# Altium PCB SAM4N_Xplained_Pro.PcbDoc (part 1 of 3)
Units mm, origin at the board's own origin, x right, y up, seen from the top; angles counter-clockwise.
Board outline 60 x 100 mm, 4 copper layers (Top Layer LF-signals, GND, POWER, Bottom Layer LF-signals), stack 1.602 mm thick; 127 components, 136 nets, 617 pads, 312 vias.
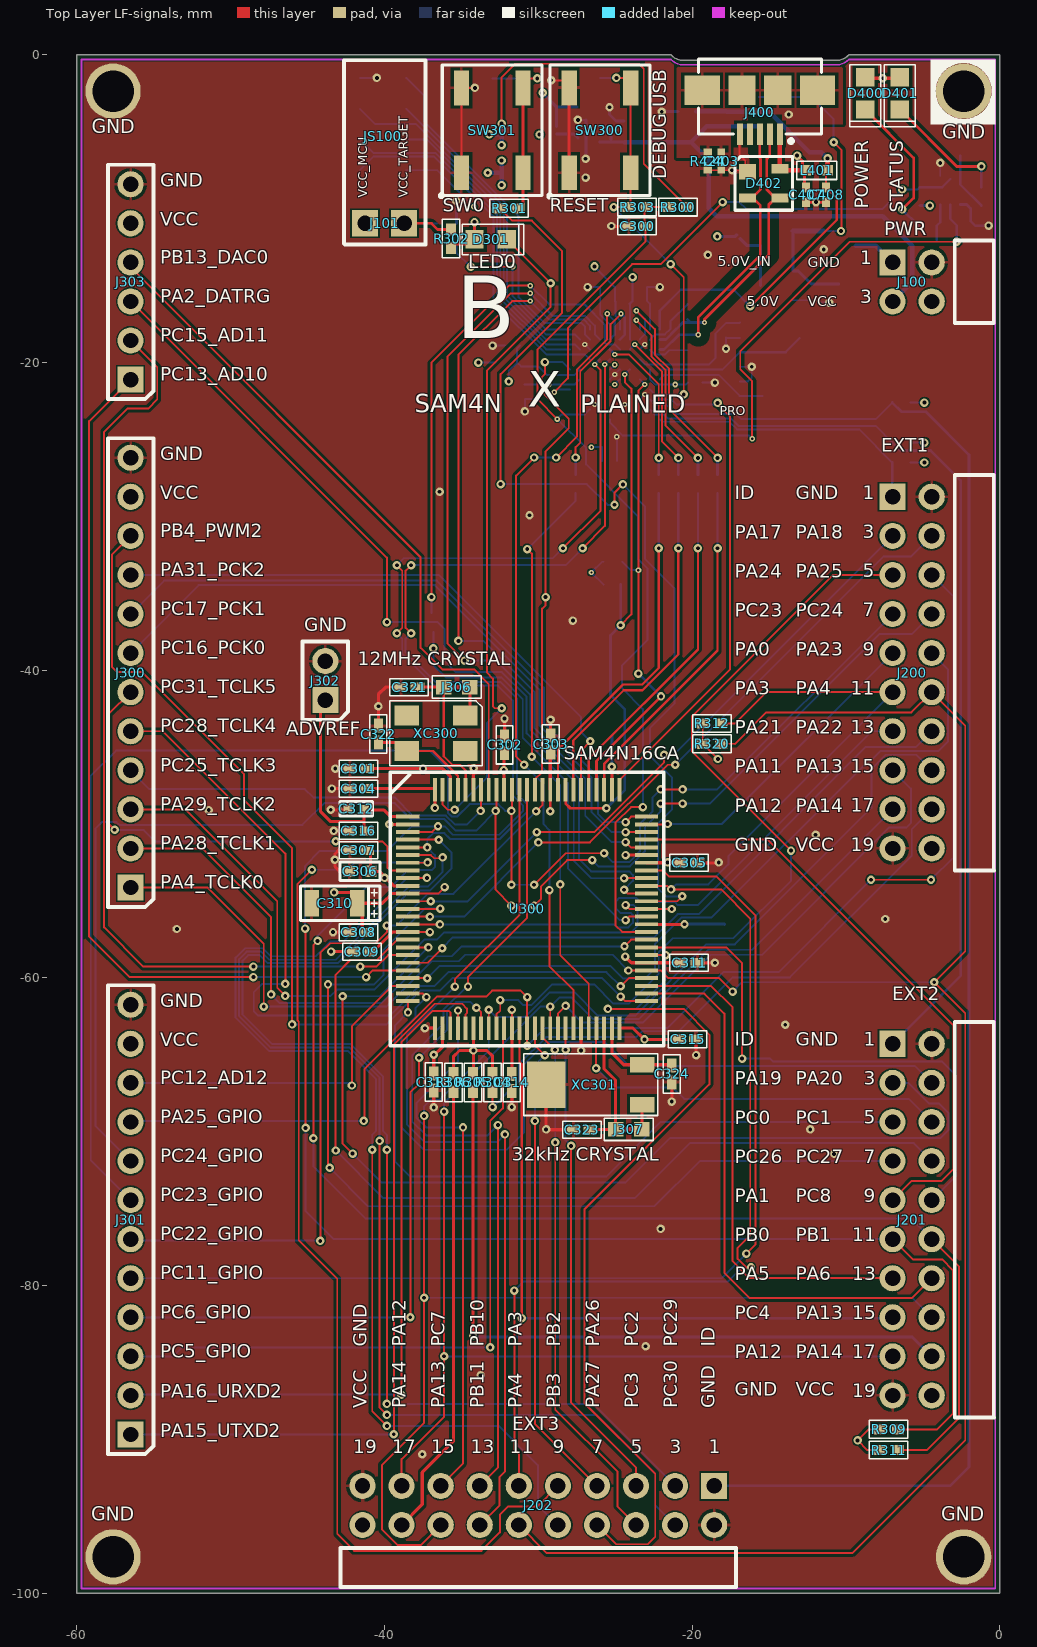
[diagram p0: Top Layer LF-signals view]
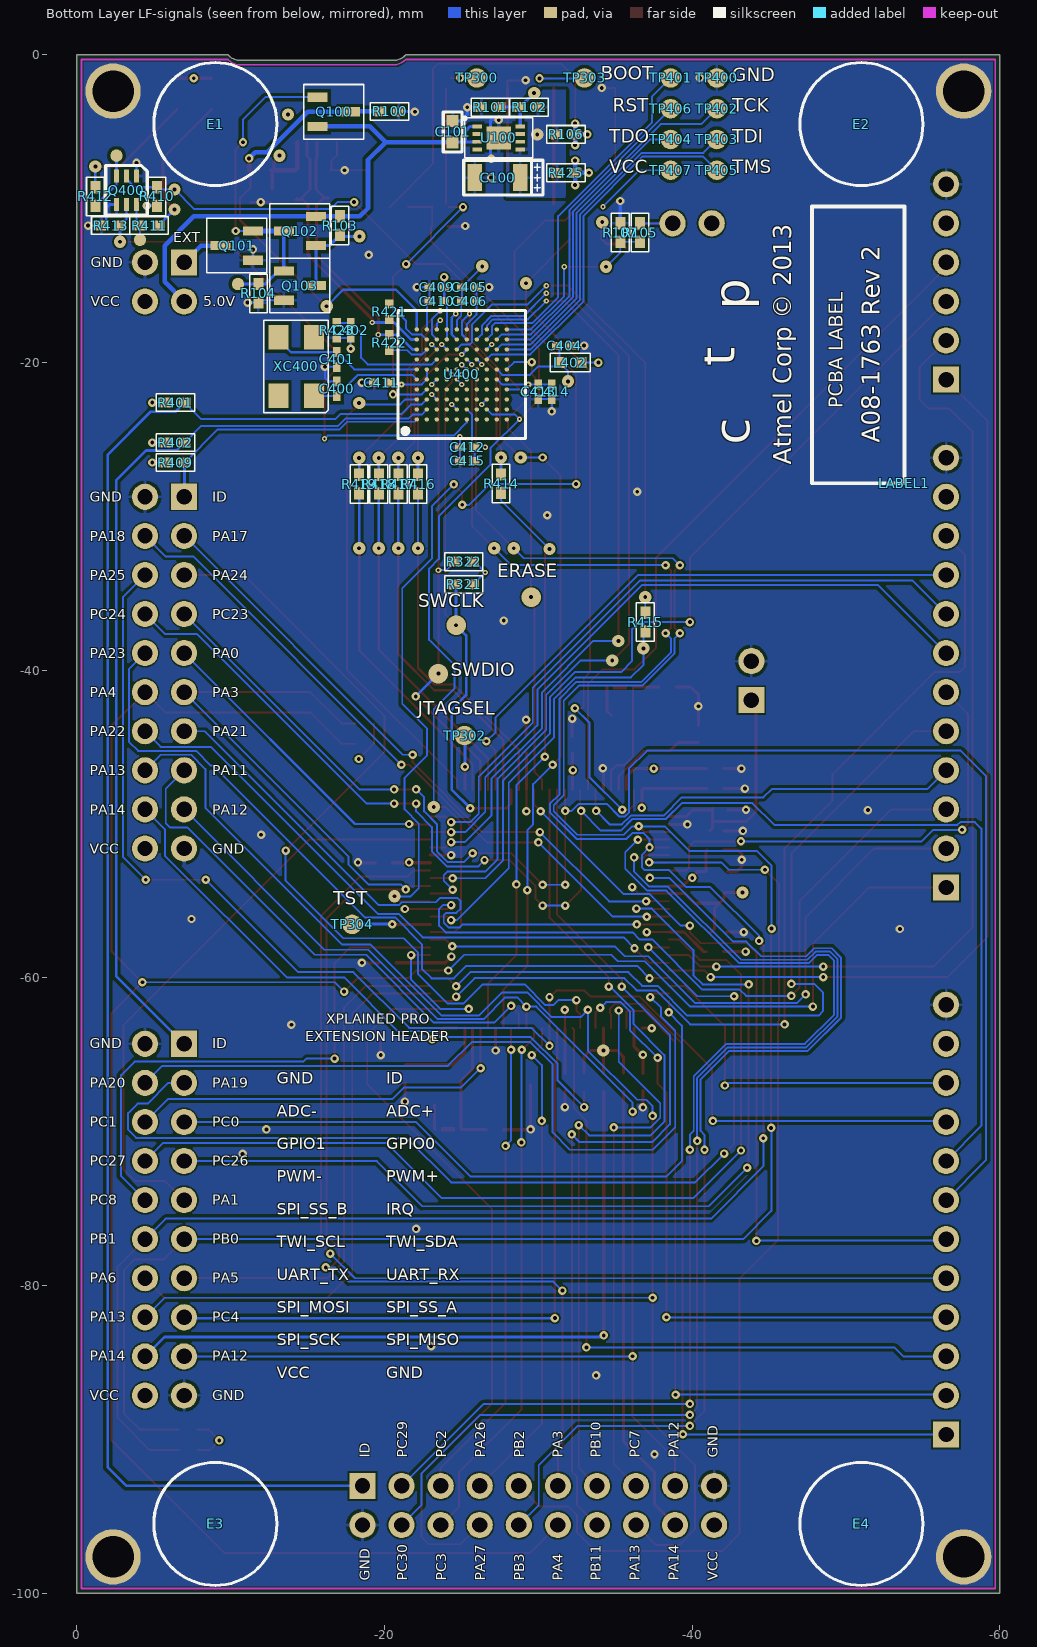
[diagram p1: Bottom Layer LF-signals view, seen from below]
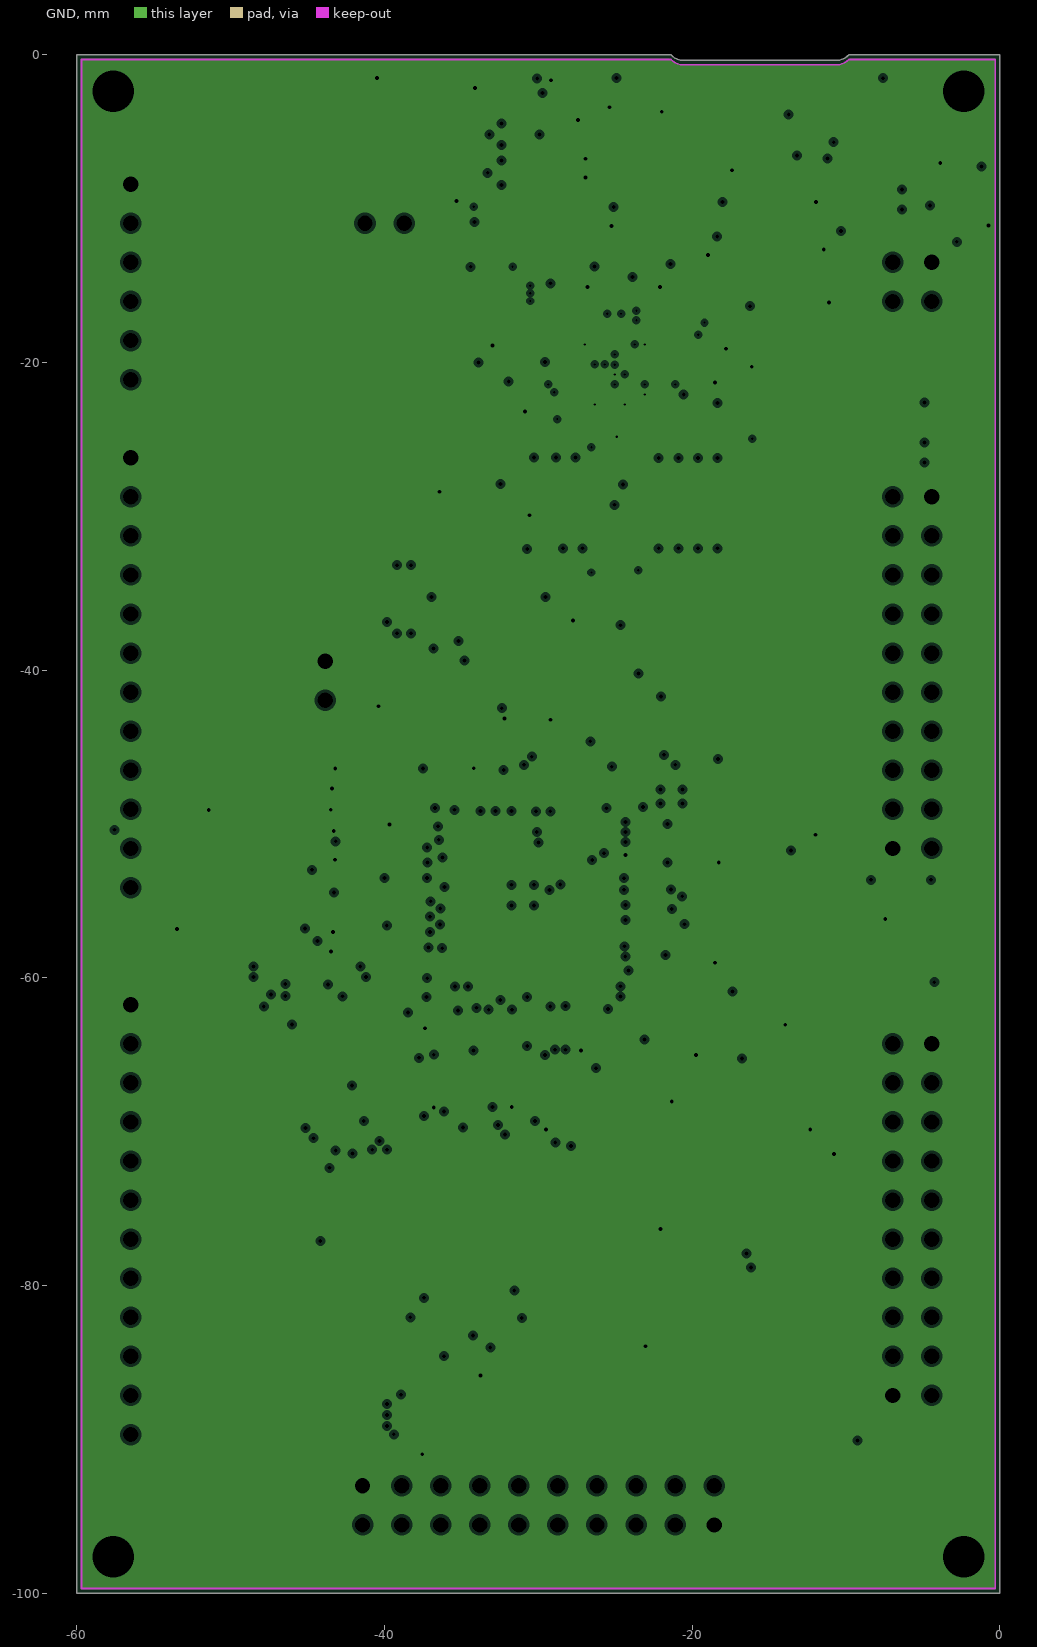
[diagram p2: GND, clearances drawn from the general rule]
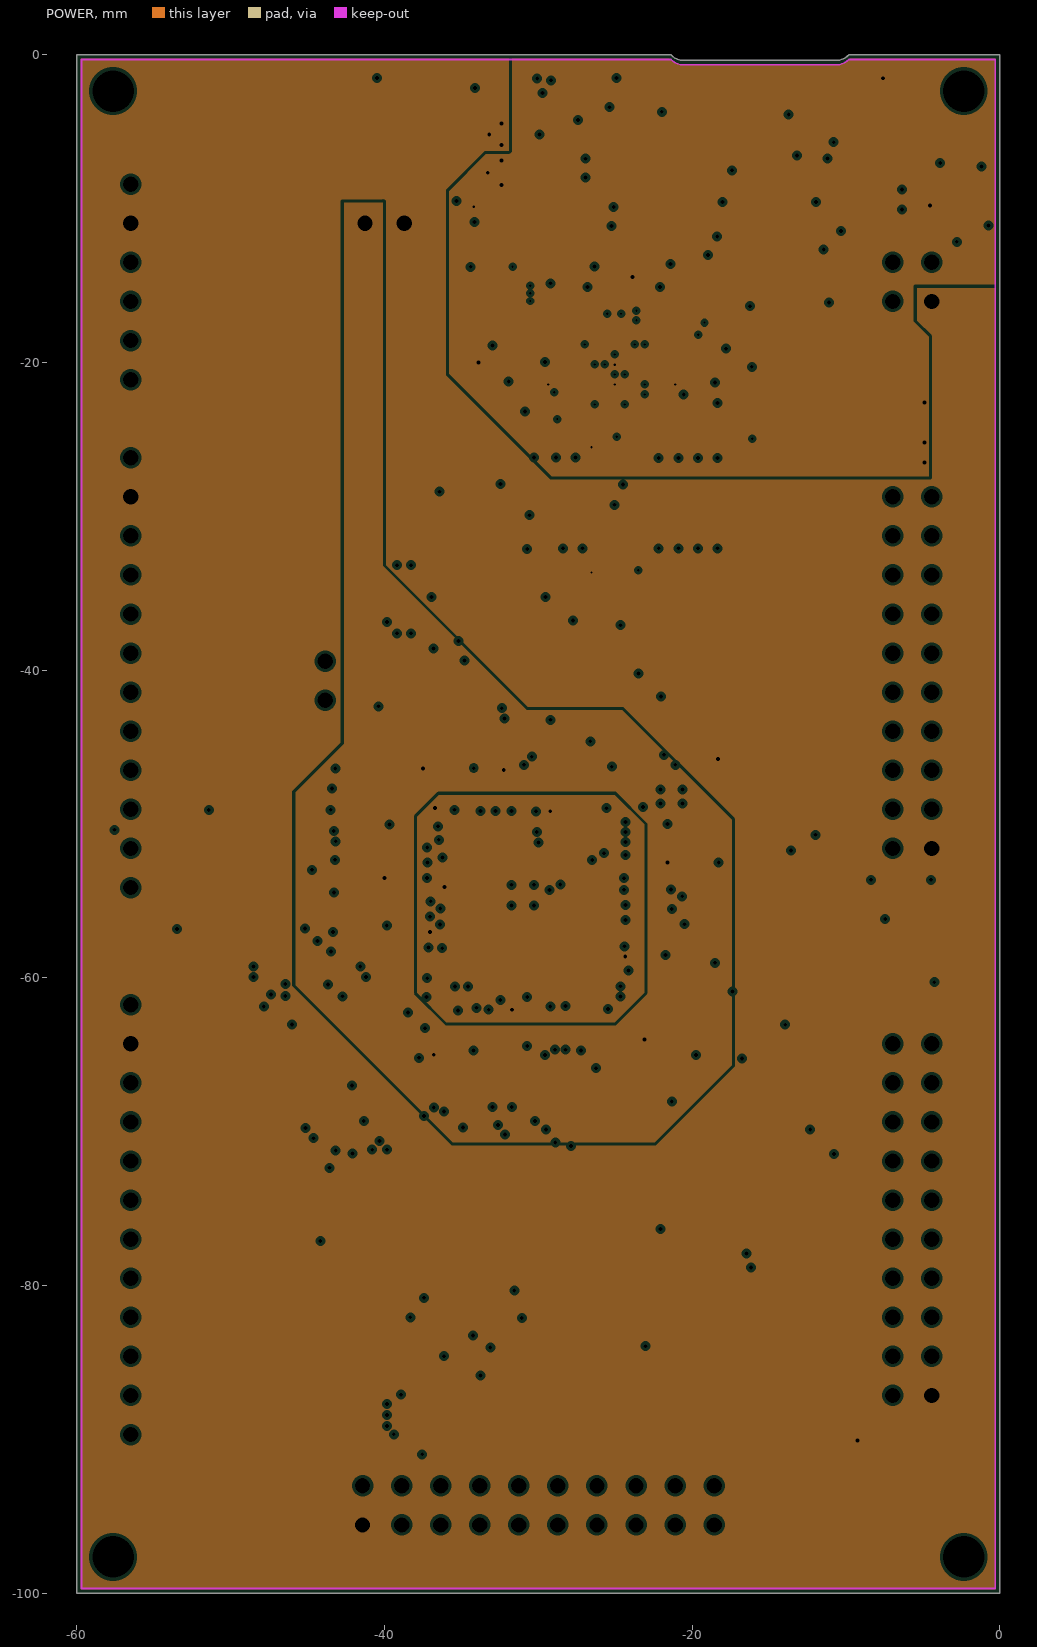
[diagram p3: POWER, clearances drawn from the general rule]
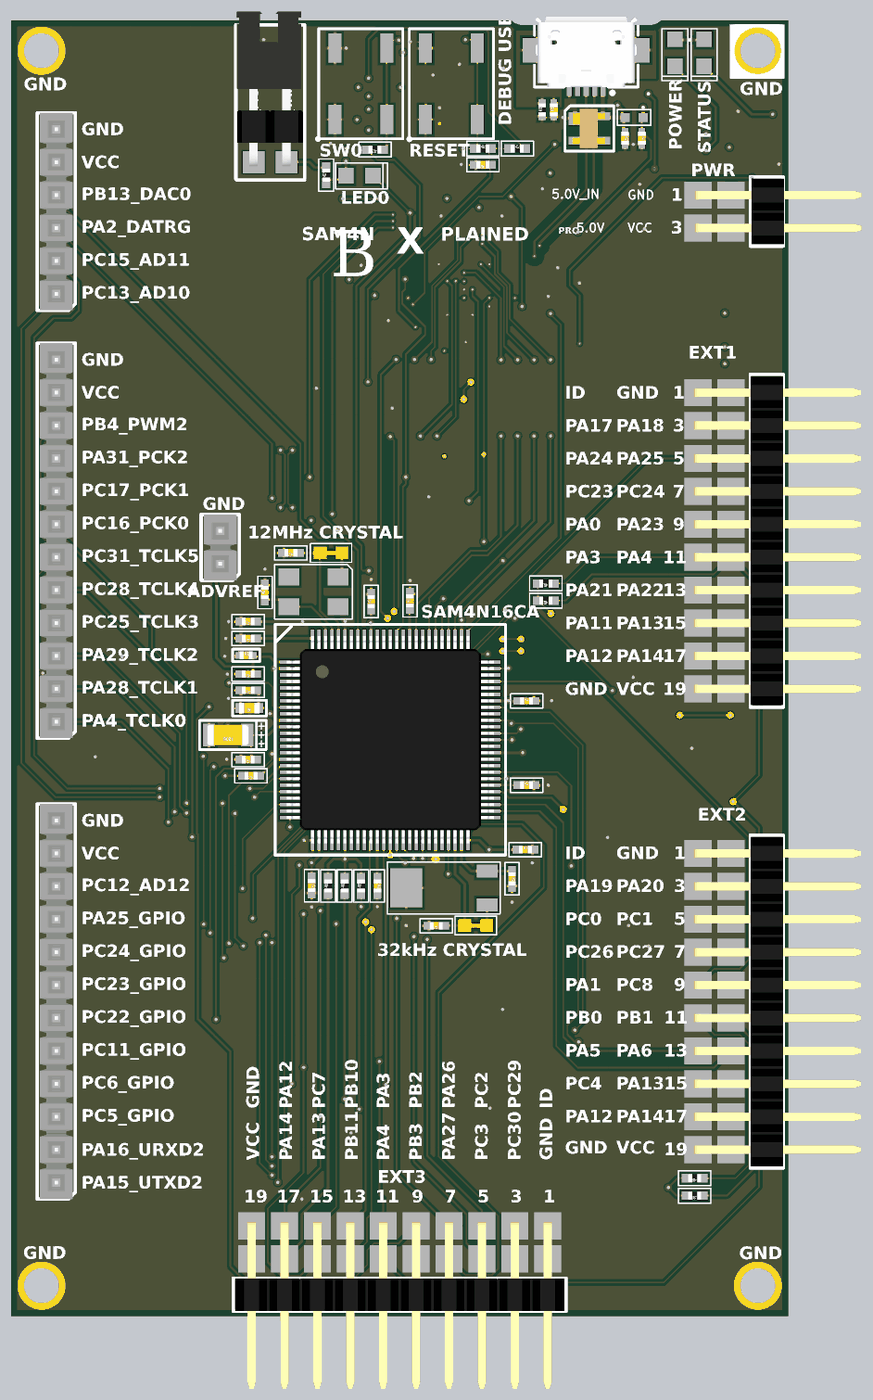
[diagram p6: 3D render of the assembled board from above, using the file's embedded part models]
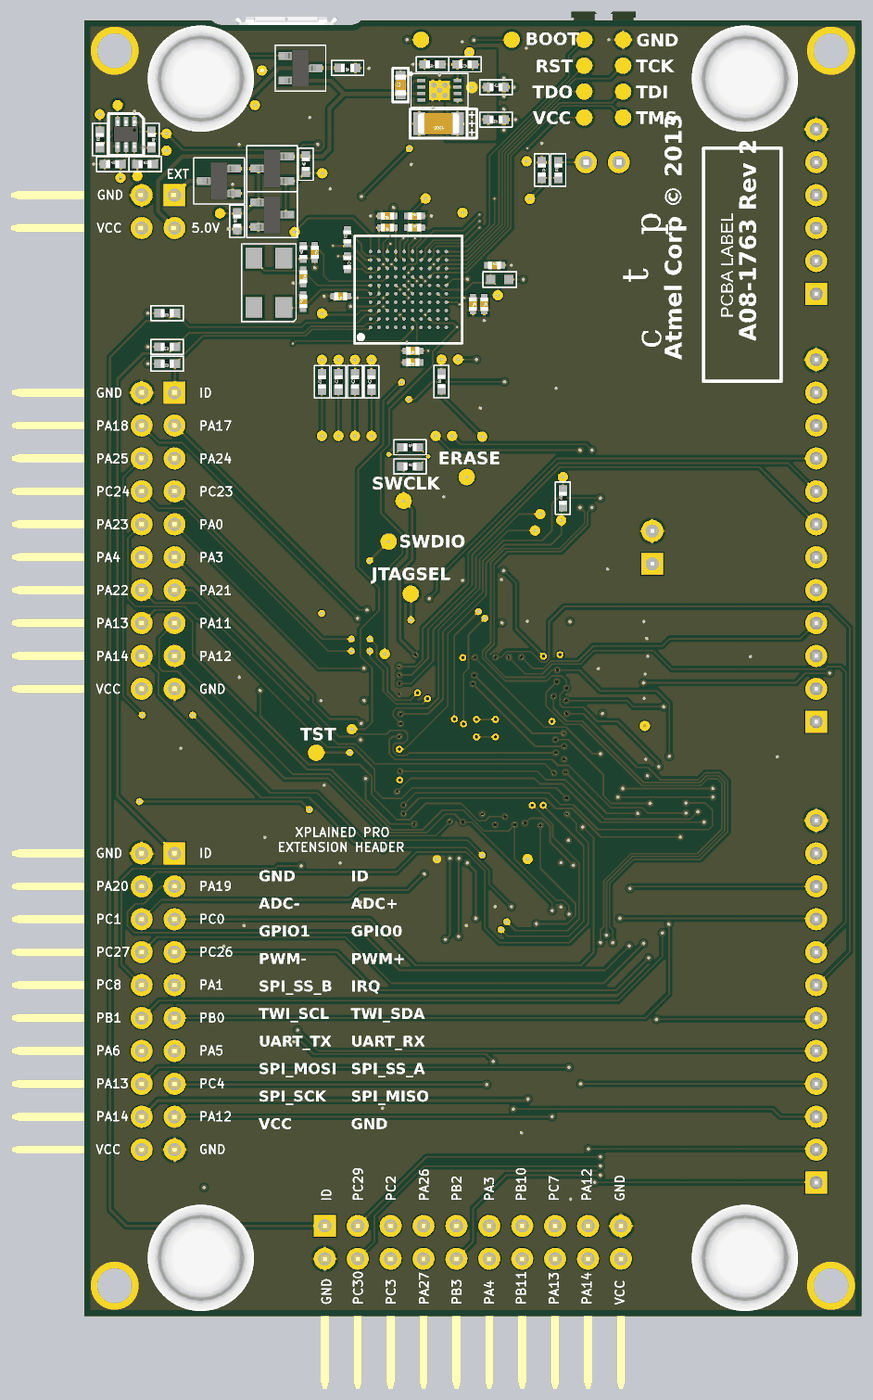
[diagram p7: 3D render of the assembled board from below, using the file's embedded part models]

## Layer stack, top to bottom
Top Layer LF-signals: signal copper 0.0356
Dielectric: prepreg 0.13, FR-4, Dk 4.8
GND: plane copper 0.0356, net GND
Dielectric: core 1.2, FR-4, Dk 4.8
POWER: plane copper 0.0356, net (Multiple Nets)
Dielectric: prepreg 0.13, FR-4, Dk 4.8
Bottom Layer LF-signals: signal copper 0.0356

## Board outline
-60,-100 -60,0 -21.375,0 -21.375,-0.001 ccw(c-20.6,0.686) -20.6,-0.35 -10.6,-0.35 ccw(c-10.6,0.686) -9.825,-0.001 -9.825,0 0,0 0,-100

## Design rules (kind name [scope] priority, off if disabled: settings)
AcuteAngle [All] p1: minimum=7.00000000000000E+0001 checktracksonly=FALSE
AssemblyTestpoint [All] p1: testpointundercomponent=TRUE minsize=0.8 maxsize=10 preferedsize=0.8 minholesize=0 maxholesize=2 preferedholesize=0.25 testpointgrid=0.025 usegrid=FALSE gridtolerance=0 allowsidebottom=TRUE minspacing=1.27 compbodyclearance=0.127
Clearance "Stitching GND" [IsStitchingVia and InNet('GND') vs (IsVia and (Not IsStitchingVia)) Or IsPad] p1: gap=0.3
Clearance Clearance_Poly_Impedance [IsRegion vs InDifferentialPairClass('All Differential Pairs')] p2: gap=0.6
Clearance Clearance_Poly [IsRegion vs (OnLayer('Top Layer LF-signals') OR OnLayer('Bottom Layer LF-signals'))] p3: gap=0.2
Clearance [All] p4: gap=0.1
ComponentClearance [All] p1: gap=0.1 collisioncheckmode=3 verticalgap=0.1 showdistances=FALSE
DiffPairsRouting [All] p1: maxlimit=0.22 minlimit=0.2 mostfreqgap=0.2 maxuncoupledlength=20
FabricationTestPointUsage TestPointUsage [All] p1: valid=0 allowmultiple=FALSE
FabricationTestpoint Testpoint [All] p1: side=2 testpointundercomponent=TRUE minsize=0.55 maxsize=10 preferedsize=0.8 minholesize=0 maxholesize=2 preferedholesize=0.25 testpointgrid=0 allowsidebottom=TRUE usegrid=FALSE gridtolerance=0 minspacing=1.27 compbodyclearance=0.127
HoleSize [All] p1: absolutevalues=TRUE maxlimit=10 minlimit=0.15 maxpercent=80.000 minpercent=20.000
HoleToHoleClearance [All] p1: gap=0.3 allowstackedmicrovias=TRUE
MinimumAnnularRing [All] p1: minimumring=0.1
MinimumSolderMaskSliver [All] p1: minsoldermaskwidth=0.075
PlaneClearance [All] p1: clearance=0.2
PlaneConnect PlaneConnect_VIA [IsVia] p1: planeconnectstyle=Direct reliefexpansion=0.508 reliefentries=4 reliefconductorwidth=0.254 reliefairgap=0.254
PlaneConnect [All] p2: planeconnectstyle=Relief reliefexpansion=0.508 reliefentries=4 reliefconductorwidth=0.254 reliefairgap=0.254
PolygonConnect PolygonConnect_VIA [IsVia OR HasPad('Free-666')] p1: connectstyle=Direct reliefconductorwidth=0.254 reliefentries=4 polygonreliefangle="90 Angle" airgapwidth=0.254
PolygonConnect [All] p2: connectstyle=Relief reliefconductorwidth=0.2 reliefentries=4 polygonreliefangle="90 Angle" airgapwidth=0.2
RoutingVias [All] p1: holewidth=0.25 width=0.55 viastyle="Through Hole" minholewidth=0.15 minwidth=0.35 maxholewidth=0.5 maxwidth=1.27
SMDNeckDown [All] p1: percent=90.000
SilkToSilkClearance [All] p1: silktosilkclearance=0.1
SilkscreenOverComponentPads [All] p1: minsilkscreentomaskgap=0.01
SolderMaskExpansion SolderMaskTenting [IsVia AND NOT (IsFabTestpoint OR IsAssyTestpoint)] p1: expansion=-1
SolderMaskExpansion [All] p2: expansion=0.05
ViasUnderSMD [All] p1: allowed=FALSE
Width [All] p1: maxlimit=5 minlimit=0.125 preferedwidth=0.175 minimp=40.000000 maximp=50.000000 favimp=45.000000
16 further rules are at their usual default settings.

## Classes and differential pairs
component class U_Crystals: C321 C322 C323 C324 J306 J307 XC300 XC301
component class Target_MCU: C300 C301 C302 C303 C304 C305 C306 C307 C308 C309 C310 C311 C312 C313 C314 C315 C316 D301 J300 J301 J302 J303 R300 R301 R302 R303 R304 R305 R306 R309 R311 R312 R320 R321 R322 SW300 SW301 TP300 TP302 TP303 TP304 U300
component class SAM4N_Xplained_Pro_TopLevel: DOC1 E1 E2 E3 E4 FIXTURE1 LABEL1 PCB1 TEST1 TESTDOC1
component class Power_supply: C100 C101 J100 J101 JS100 Q100 Q101 Q102 Q103 R100 R101 R102 R103 R104 R105 R106 R107 U100
component class EDBG: C400 C401 C402 C403 C404 C405 C406 C407 C408 C409 C410 C411 C412 C413 C414 C415 D400 D401 D402 J400 L401 L402 Q400 R401 R402 R409 R410 R411 R412 R413 R414 R415 R416 R417 R418 R419 R421 R422 R423 R424 R425 TP400 TP401 TP402 TP403 TP404 TP405 TP406 TP407 U400 XC400
component class Connectors: J200 J201 J202
differential pair EDBG_USB_HS: +EDBG_USB_HS_P -EDBG_USB_HS_N
differential pair EDBG_USB_FS: +EDBG_USB_FS_P -EDBG_USB_FS_N

## Components (designator, comment, footprint, x,y, rotation, side; value= is the part's Value field where it differs from the comment)
C100 "CAP-POL" AP1-00036 -27.35,-7.975 r0 bottom
C101 "CAP-NONPOL" AP1-00039 -24.425,-5 r90 bottom
C300 "CAP-NONPOL" AP1-00001 -23.575,-11.15 r180 top
C301 "CAP-NONPOL" AP1-00001 -41.698,-46.4 r180 top
C302 "CAP-NONPOL" AP1-00001 -32.2,-44.85 r90 top
C303 "CAP-NONPOL" AP1-00001 -29.2,-44.8 r90 top
C304 "CAP-NONPOL" AP1-00001 -41.698,-47.7 r180 top
C305 "CAP-NONPOL" AP1-00001 -20.2,-52.525 r0 top
C306 "CAP-NONPOL" AP1-00039 -41.598,-53.075 r180 top
C307 "CAP-NONPOL" AP1-00001 -41.698,-51.7 r180 top
C308 "CAP-NONPOL" AP1-00001 -41.698,-57.05 r180 top
C309 "CAP-NONPOL" AP1-00001 -41.475,-58.3 r180 top
C310 "CAP-POL" AP1-00036 -43.25,-55.15 r180 top
C311 "CAP-NONPOL" AP1-00001 -20.2,-59.025 r0 top
C312 "CAP-NONPOL" AP1-00038 -41.323,-49 r270 top
C313 "CAP-NONPOL" AP1-00001 -36.8,-66.775 r270 top
C314 "CAP-NONPOL" AP1-00001 -31.725,-66.8 r270 top
C315 "CAP-NONPOL" AP1-00001 -20.3,-64 r0 top
C316 "CAP-NONPOL" AP1-00001 -41.698,-50.45 r180 top
C321 "CAP-NONPOL" AP1-00001 -38.4,-41.1 r180 top
C322 "CAP-NONPOL" AP1-00001 -40.4,-44.15 r90 top
C323 "CAP-NONPOL" AP1-00001 -27.175,-69.875 r180 top
C324 "CAP-NONPOL" AP1-00001 -21.325,-66.25 r270 top
C400 "22p" AP1-00053 -16.9,-21.7 r90 bottom locked
C401 "22p" AP1-00053 -16.9,-19.8 r270 bottom locked
C402 "10p" AP1-00053 -17.8,-17.9 r270 bottom locked
C403 "CAP-NONPOL" AP1-00053 -18.1,-6.9 r90 top locked
C404 "100n" AP1-00053 -31.675,-18.9 r180 bottom locked
C405 "Farnell no: 1288200" AP1-00053 -25.5,-15.1 r180 bottom locked
C406 "1 nF C0G" AP1-00053 -25.5,-16 r180 bottom locked
C407 "1 nF C0G" AP1-00053 -12.6,-9.1 r270 top locked
C408 "1 nF C0G" AP1-00053 -11.3,-9.1 r270 top locked
C409 "Farnell no: 1288200" AP1-00053 -23.4,-15.1 r0 bottom locked
C410 "100n" AP1-00053 -23.4,-16 r0 bottom locked
C411 "100n" AP1-00053 -19.8,-21.3 r0 bottom locked
C412 "100n" AP1-00053 -25.375,-25.5 r0 bottom locked
C413 "100n" AP1-00053 -30,-21.9 r270 bottom locked
C414 "Farnell no: 1288200" AP1-00053 -30.875,-21.9 r270 bottom locked
C415 "Farnell no: 1288200" AP1-00053 -25.375,-26.4 r0 bottom locked
D301 "Yellow" AP4-00013 -33.1,-12 r180 top locked
D400 "Green" AP4-00013 -8.75,-2.5 r90 top locked
D401 "Yellow" AP4-00013 -6.5,-2.5 r90 top locked
D402 "PRTR5V0U2X" AP4-00001 -16.4,-7.6 r0 top locked
E1 "RUBBER FEET" AP8-00192 -9,-4.5 r180 bottom locked
E2 "RUBBER FEET" AP8-00192 -51,-4.5 r180 bottom locked
E3 "RUBBER FEET" AP8-00192 -9,-95.5 r180 bottom locked
E4 "RUBBER FEET" AP8-00192 -51,-95.5 r180 bottom locked
J100 "HEADER 2x2" AP8-00628 -5.7,-14.76 r270 top locked
J101 "HEADER 1x2" AP8-00367 -40,-10.95 r0 top locked
J200 "HEADER 2x10" AP8-00622 -5.7,-40.16 r270 top locked
J201 "HEADER 2x10" AP8-00622 -5.7,-75.72 r270 top locked
J202 "HEADER 2x10" AP8-00622 -30,-94.3 r180 top locked
J300 "HEADER 1x12" AP8-00677 -56.508,-40.16 r90 top locked
J301 "HEADER 1x12" AP8-00677 -56.508,-75.72 r90 top locked
J302 "HEADER 1x2" AP8-00733 -43.848,-40.68 r90 top locked
J303 "HEADER 1x6" AP8-00676 -56.508,-14.76 r90 top locked
J306 "SMD-STRAP_CLOSED" AP9-00044 -35.3,-41.1 r0 top net-tie
J307 "SMD-STRAP_CLOSED" AP9-00044 -24.125,-69.85 r180 top net-tie
J400 "USB_AB" AP8-00604 -15.6,-2.3 r180 top locked
JS100 "To be used by request from ESCATEC" AP8-00525 -40.1,-5.3 r0 top locked
L401 "BLM18PG471SN1" AP3-00005 -11.9,-7.5 r0 top locked
L402 "BLM18PG471SN1" AP3-00005 -32.075,-20 r0 bottom locked
LABEL1 "PCBA_LABEL" AP8-00317 -53.8,-27.85 r90 bottom
Q100 "MOSFET_P_GSD" AP5-00002 -16.694,-3.7 r180 bottom
Q101 "MOSFET_P_GSD" AP5-00002 -10.4,-12.4 r0 bottom locked
Q102 "MOSFET_P_GSD" AP5-00002 -14.5,-11.45 r0 bottom locked
Q103 "MOSFET_N_GSD" AP5-00002 -14.5,-15 r180 bottom locked
Q400 "Same as 2N7002 but with two MOSFETs in one package" AP5-00001 -3.225,-8.8 r270 bottom locked